# KiCad board MCU_Bottom.kicad_pcb (continued)
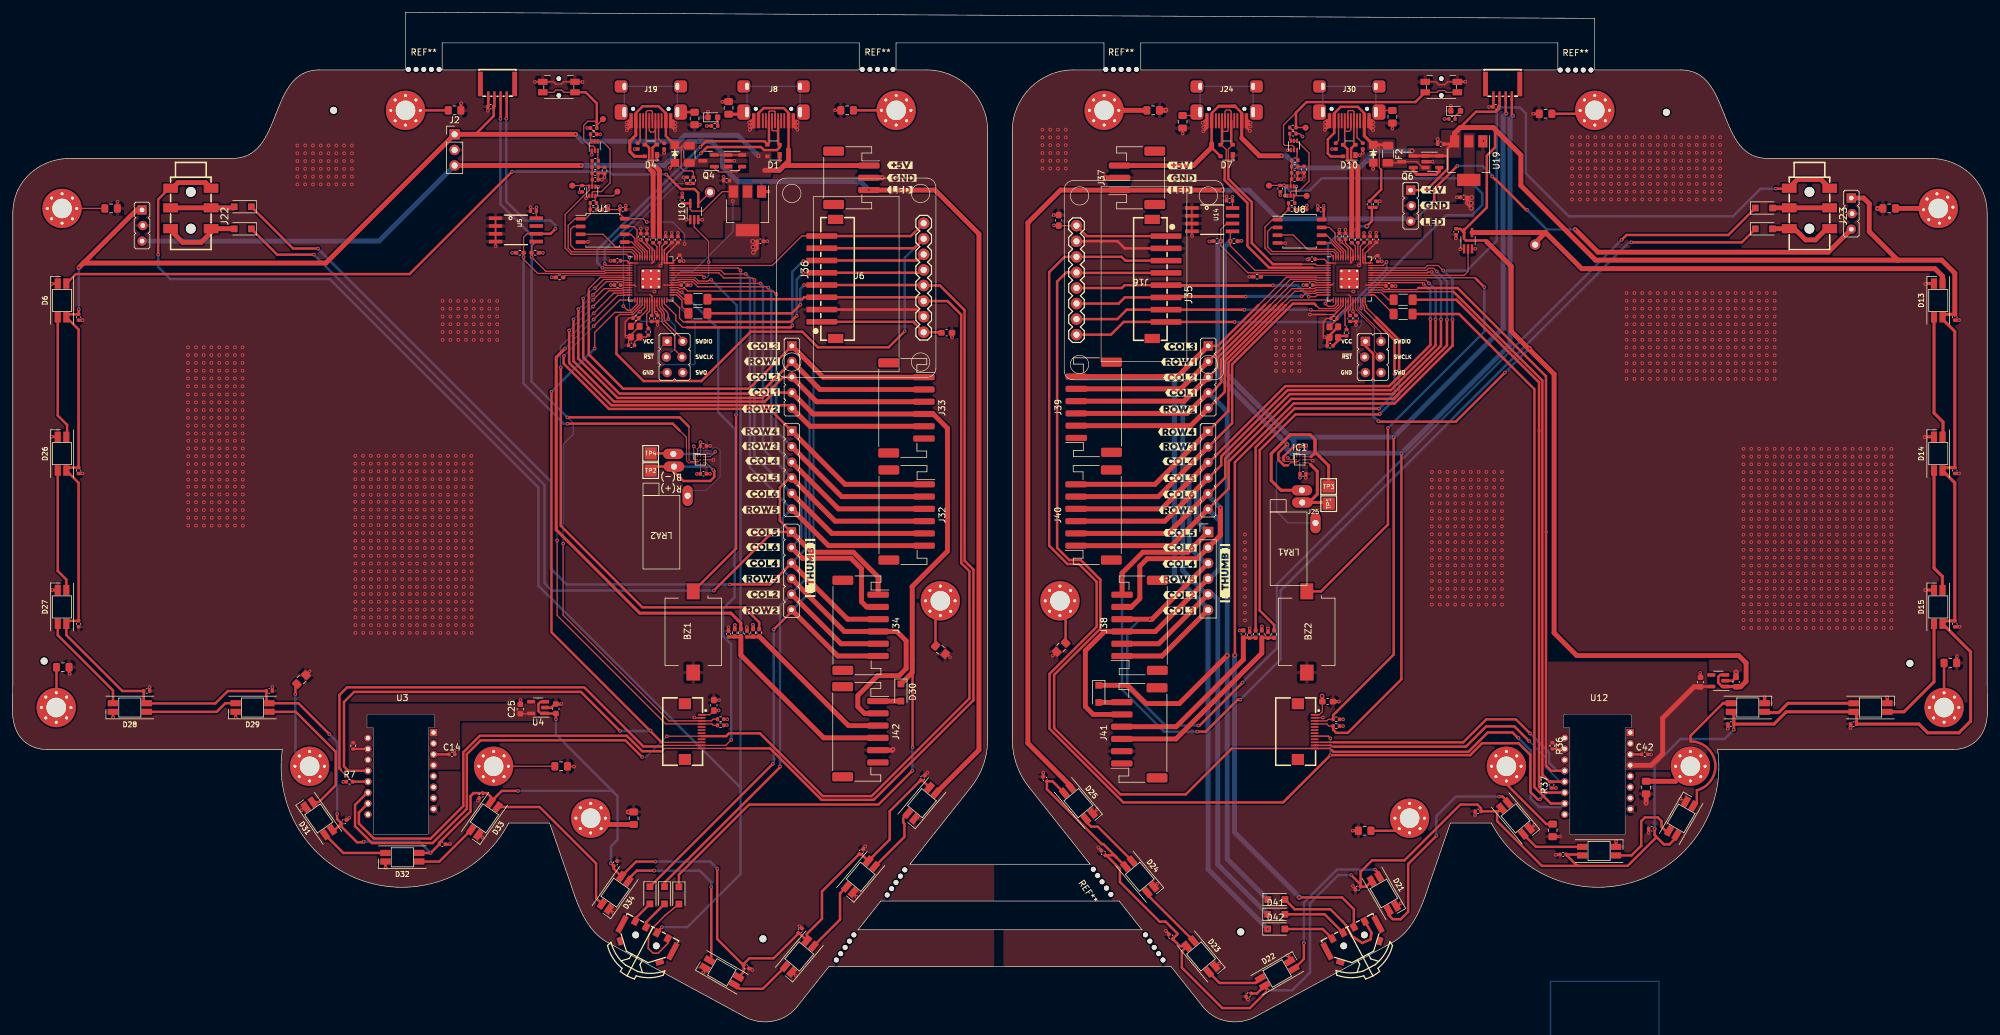
[diagram p0: board, top side]
## Routing (per net, layer and track width the routed paths; a pad name or vN(x,y) marks a point on that pad's centre or on a via; arc(x,y) is an arc through that point) (continued)
GND2: length 133
  Top w0.13: U17.3 238.5,126.23 v1(238.52,126.25) ; IC1.B3 211.87,91.82 v1(212.01,91.68) ; U17.1 236.14,126.23 v1(236.09,126.18)
  Top w0.2: C45.2 210.49,120.32 v1(210.49,120.32) ; v1(197.97,134.73) 197.99,134.71 C53.1 ; R50.2 v1(220.19,141.89) ; K2.1 232.12,153.47 232.59,152.99 233.54,152.99 234.01,153.47 K2.1 ; C6.1 212.84,132.64 v1(212.84,133.22) ; C43.2 211.24,124.54 v1(211.19,124.49) ; D10.1 219.66,141.51 v1(219.69,141.49) ; v1(213.66,49.79) 213.61,49.74 J27.2 ; 216.06,116.01 215.01,114.96 C9.1 214.29,114.89 213.74,114.34 213.74,112.02 v1(213.94,111.82) ; 216.06,116.01 216.99,116.94 U9.19 ; 216.06,116.01 215.56,115.51 v1(211.56,115.51) ; v1(210.62,138.12) R55.2 210.55,138.62 C58.2 C61.2 v1(210.12,137.59) ; v1(219.09,113.82) C47.2 219.08,114.39 C40.2 ; 208.92,136.39 209.36,136.39 v1(209.36,136.39) ; U14.1 U14.3 U14.4 192.32,128.37 v1(192.35,128.34) ; v1(234.54,149.57) 234.55,149.55 D8.1 ; C48.2 v1(216.37,129.34) ; C44.2 225.5,120.17 ; C46.2 222.39,128.82 v1(222.37,128.84) ; D18.1 v1(271.99,36.59) ; R51.1 215.2,142.5 v1(215.19,142.49) ; C26.2 v1(220.39,128.82) ; C39.2 v1(217.37,129.34) ; U8.4 207.49,127.18 v1(207.54,127.14) ; Q1.1 207.99,142.34 v1(207.97,142.32) ; FB3.2 v1(190.82,145.04) ; C41.1 v1(221.39,128.84) ; Q5.1 v1(207.47,134.89) ; v1(223.29,124.17) 223.29,124.16 C17.2
  Top w0.4: C42.2 267.19,43.77 v1(267.21,43.75) ; v1(201.75,64.3) 201.74,64.29 C62.2 ; FB17.2 v1(247.99,148.26) ; v1(196.79,9.69) 196.26,9.16 D23.1 ; C57.2 235.4,127.97 v1(235.38,127.95) ; C69.1 251.74,27.44 v1(251.69,27.39) ; v1(186.69,22.69) 186.16,22.16 D24.1 ; v1(218.54,31.34) 218.56,31.31 FB20.2 ; U13.2 280.49,55.79 C49.1 ; C59.2 204.73,64.27 v1(204.71,64.29) ; C75.1 168.07,40.77 v1(168.09,40.79) ; v1(226.39,19.49) 225.95,19.06 D21.1 ; v1(238.49,33.89) 238.51,33.91 C71.1 ; v1(218.59,22.29) 219,21.87 C72.1 ; K2.1 236.86,153.47 v1(236.89,153.49) ; R39.2 222.93,134.01 v1(222.94,134) ; v1(240.79,149.39) C70.1 241.49,149.47 U16.4 ; v1(194.19,146.09) 194.77,146.67 J24.B1 ; v1(239.87,143.82) 239.82,143.77 U19.1 ; v1(194.19,145.39) 194.77,145.97 J24.B1 ; v1(317.09,59.79) 317.01,59.71 FB15.2 ; J24.A1 201.22,146.86 v1(201.89,146.19) ; J24.A1 201.22,146.06 v1(201.79,145.49) ; J24.A1 201.55,147.12 v1(201.89,146.79) ; v1(169.66,59.86) 169.66,59.89 FB19.2 ; 173.51,127.47 180.21,127.47 181.37,126.31 J35.2 ; v1(213.94,111.82) 213.99,111.77 Y2.4 ; Y2.2 214.77,112.12 Y2.4 ; C56.2 210.92,88.91 v1(210.9,88.89) ; v1(176.89,34.79) 176.26,34.16 D25.1 ; v1(169.82,131.74) 169.82,131.74 C21.2 ; Y2.4 214.39,111.39 C15.1 ; D19.1 261.47,29.57 v1(261.49,29.59) ; D22.1 208.27,10.61 v1(207.89,10.99) ; v1(275.21,57.08) 275.25,57.04 C50.2 ; FB7.2 251.18,30.39 v1(252.34,30.39) ; v1(201.49,3.79) 201.17,4.1 C73.1 ; C68.1 266.81,31.01 v1(266.79,30.99) ; v1(248.19,32.29) 247.57,31.67 D20.1 ; J24.B1 194.42,147.12 v1(194.09,146.79) ; R47.1 201.72,121.69 v1(201.71,121.68) ; D7.1 198.99,140.69 v1(198.99,140.69) ; FB4.2 v1(225.02,145.87) ; v1(221.86,139.27) 221.91,139.32 D9.2 ; C74.1 188.58,14.5 v1(188.09,14.99) ; v1(177.09,28.59) 177.58,28.1 C76.1
  Top w0.5: D17.1 285.71,53.16 v1(285.69,53.19) ; v1(305.69,53.09) 305.71,53.06 D16.1 ; C52.2 232.41,144.1 v1(232.39,144.12) ; J30.A1 221.22,146.9 v1(221.93,146.19) ; J30.A1 221.67,147.12 v1(221.94,146.86) ; J30.A1 221.22,146.22 v1(221.86,145.58) ; C54.2 v1(216.26,52.39) ; C67.1 279.73,48.04 v1(279.69,47.99) ; v1(311.89,120.49) 311.97,120.57 D13.1 ; U18.2 231.53,140.44 v1(231.55,140.46) ; J30.B1 214.77,146.41 v1(214.01,145.65) ; J30.B1 214.77,146.99 v1(214.04,146.26) ; J30.B1 214.3,147.12 v1(214.05,146.87) ; C63.1 v1(317.38,114.59) ; C64.1 v1(317.38,89.59) ; C66.1 299.73,48.14 v1(299.69,48.09) ; C65.1 v1(317.49,64.59) ; v1(311.79,95.49) 311.87,95.57 D14.1 ; C55.2 v1(235.54,134.64) ; v1(311.89,70.59) 311.91,70.57 D15.1
  Top w0.8: v1(304.09,132.79) 304.12,132.82 FB16.2 ; J37.2 178.13,137.82 v2(178.12,137.81) ; v1(188.09,148.89) 188.02,148.82 FB18.2 ; FB8.2 v1(266.38,35.82) ; v1(281.04,57.18) 281.05,57.17 C49.1
  vias: v1(167.96,145.68) v1(167.96,144.41) v1(167.96,143.14) v1(167.96,141.87) v1(167.96,140.6) v1(167.96,139.33) v1(169.23,145.68) v1(169.23,144.41) v1(169.23,143.14) v1(169.23,141.87) v1(169.23,140.6) v1(169.23,139.33) v1(170.5,145.68) v1(170.5,144.41) v1(170.5,143.14) v1(170.5,141.87) v1(170.5,140.6) v1(170.5,139.33) v1(171.77,145.68) v1(171.77,144.41) v1(171.77,143.14) v1(171.77,141.87) v1(171.77,140.6) v1(171.77,139.33) v1(200.98,79.64) v1(200.98,78.37) v1(200.98,77.09) v1(200.98,75.81) v1(200.98,74.53) v1(200.98,73.25) v1(200.98,72.02) v1(200.98,70.75) v1(200.98,69.47) v1(200.98,68.19) v1(200.98,66.91) v1(200.98,65.63) v1(206.06,112.66) v1(206.06,111.39) v1(206.06,110.12) v1(206.06,108.85) v1(206.06,107.58) v1(206.06,106.31) v1(207.33,112.66) v1(207.33,111.39) v1(207.33,110.12) v1(207.33,108.85) v1(207.33,107.58) v1(207.33,106.31) v1(208.6,112.66) v1(208.6,111.39) v1(208.6,110.12) v1(208.6,108.85) v1(208.6,107.58) v1(208.6,106.31) v1(209.87,112.66) v1(209.87,111.39) v1(209.87,110.12) v1(209.87,108.85) v1(209.87,107.58) v1(209.87,106.31) v1(210.97,94.14) v1(225.53,120.14) v1(231.46,89.84) v1(231.46,88.57) v1(231.46,87.29) v1(231.46,86.01) v1(231.46,84.73) v1(231.46,83.45) v1(231.46,82.22) v1(231.46,80.95) v1(231.46,79.67) v1(231.46,78.39) v1(231.46,77.11) v1(231.46,75.83) v1(231.46,74.6) v1(231.46,73.33) v1(231.46,72.05) v1(231.46,70.77) v1(231.46,69.49) v1(231.46,68.21) v1(232.73,89.84) v1(232.73,88.57) v1(232.73,87.29) v1(232.73,86.01) v1(232.73,84.73) v1(232.73,83.45) v1(232.73,82.22) v1(232.73,80.95) v1(232.73,79.67) v1(232.73,78.39) v1(232.73,77.11) v1(232.73,75.83) v1(232.73,74.6) v1(232.73,73.33) v1(232.73,72.05) v1(232.73,70.77) v1(232.73,69.49) v1(232.73,68.21) v1(234,89.84) v1(234,88.57) v1(234,87.29) v1(234,86.01) v1(234,84.73) v1(234,83.45) v1(234,82.22) v1(234,80.95) v1(234,79.67) v1(234,78.39) v1(234,77.11) v1(234,75.83) v1(234,74.6) v1(234,73.33) v1(234,72.05) v1(234,70.77) v1(234,69.49) v1(234,68.21) v1(235.27,89.84) v1(235.27,88.57) v1(235.27,87.29) v1(235.27,86.01) v1(235.27,84.73) v1(235.27,83.45) v1(235.27,82.22) v1(235.27,80.95) v1(235.27,79.67) v1(235.27,78.39) v1(235.27,77.11) v1(235.27,75.83) v1(235.27,74.6) v1(235.27,73.33) v1(235.27,72.05) v1(235.27,70.77) v1(235.27,69.49) v1(235.27,68.21) v1(236.54,89.84) v1(236.54,88.57) v1(236.54,87.29) v1(236.54,86.01) v1(236.54,84.73) v1(236.54,83.45) v1(236.54,82.22) v1(236.54,80.95) v1(236.54,79.67) v1(236.54,78.39) v1(236.54,77.11) v1(236.54,75.83) v1(236.54,74.6) v1(236.54,73.33) v1(236.54,72.05) v1(236.54,70.77) v1(236.54,69.49) v1(236.54,68.21) v1(237.81,89.84) v1(237.81,88.57) v1(237.81,87.29) v1(237.81,86.01) v1(237.81,84.73) v1(237.81,83.45) v1(237.81,82.22) v1(237.81,80.95) v1(237.81,79.67) v1(237.81,78.39) v1(237.81,77.11) v1(237.81,75.83) v1(237.81,74.6) v1(237.81,73.33) v1(237.81,72.05) v1(237.81,70.77) v1(237.81,69.49) v1(237.81,68.21) v1(239.08,89.84) v1(239.08,88.57) v1(239.08,87.29) v1(239.08,86.01) v1(239.08,84.73) v1(239.08,83.45) v1(239.08,82.22) v1(239.08,80.95) v1(239.08,79.67) v1(239.08,78.39) v1(239.08,77.11) v1(239.08,75.83) v1(239.08,74.6) v1(239.08,73.33) v1(239.08,72.05) v1(239.08,70.77) v1(239.08,69.49) v1(239.08,68.21) v1(240.35,89.84) v1(240.35,88.57) v1(240.35,87.29) v1(240.35,86.01) v1(240.35,84.73) v1(240.35,83.45) v1(240.35,82.22) v1(240.35,80.95) v1(240.35,79.67) v1(240.35,78.39) v1(240.35,77.11) v1(240.35,75.83) v1(240.35,74.6) v1(240.35,73.33) v1(240.35,72.05) v1(240.35,70.77) v1(240.35,69.49) v1(240.35,68.21) v1(241.62,89.84) v1(241.62,88.57) v1(241.62,87.29) v1(241.62,86.01) v1(241.62,84.73) v1(241.62,83.45) v1(241.62,82.22) v1(241.62,80.95) v1(241.62,79.67) v1(241.62,78.39) v1(241.62,77.11) v1(241.62,75.83) v1(241.62,74.6) v1(241.62,73.33) v1(241.62,72.05) v1(241.62,70.77) v1(241.62,69.49) v1(241.62,68.21) v1(242.89,89.84) v1(242.89,88.57) v1(242.89,87.29) v1(242.89,86.01) v1(242.89,84.73) v1(242.89,83.45) v1(242.89,82.22) v1(242.89,80.95) v1(242.89,79.67) v1(242.89,78.39) v1(242.89,77.11) v1(242.89,75.83) v1(242.89,74.6) v1(242.89,73.33) v1(242.89,72.05) v1(242.89,70.77) v1(242.89,69.49) v1(242.89,68.21) v1(254.32,144.45) v1(254.32,143.18) v1(254.32,141.9) v1(254.32,140.62) v1(254.32,139.34) v1(254.32,138.06) v1(254.32,136.83) v1(254.32,135.56) v1(254.32,134.28) v1(255.59,144.45) v1(255.59,143.18) v1(255.59,141.9) v1(255.59,140.62) v1(255.59,139.34) v1(255.59,138.06) v1(255.59,136.83) v1(255.59,135.56) v1(255.59,134.28) v1(256.86,144.45) v1(256.86,143.18) v1(256.86,141.9) v1(256.86,140.62) v1(256.86,139.34) v1(256.86,138.06) v1(256.86,136.83) v1(256.86,135.56) v1(256.86,134.28) v1(258.13,144.45) v1(258.13,143.18) v1(258.13,141.9) v1(258.13,140.62) v1(258.13,139.34) v1(258.13,138.06) v1(258.13,136.83) v1(258.13,135.56) v1(258.13,134.28) v1(259.4,144.45) v1(259.4,143.18) v1(259.4,141.9) v1(259.4,140.62) v1(259.4,139.34) v1(259.4,138.06) v1(259.4,136.83) v1(259.4,135.56) v1(259.4,134.28) v1(260.67,144.45) v1(260.67,143.18) v1(260.67,141.9) v1(260.67,140.62) v1(260.67,139.34) v1(260.67,138.06) v1(260.67,136.83) v1(260.67,135.56) v1(260.67,134.28) v1(261.94,144.45) v1(261.94,143.18) v1(261.94,141.9) v1(261.94,140.62) v1(261.94,139.34) v1(261.94,138.06) v1(261.94,136.83) v1(261.94,135.56) v1(261.94,134.28) v1(263.21,144.45) v1(263.21,143.18) v1(263.21,141.9) v1(263.21,140.62) v1(263.21,139.34) v1(263.21,138.06) v1(263.21,136.83) v1(263.21,135.56) v1(263.21,134.28) v1(263.21,119.03) v1(263.21,117.76) v1(263.21,116.48) v1(263.21,115.2) v1(263.21,113.92) v1(263.21,112.64) v1(263.21,111.41) v1(263.21,110.14) v1(263.21,108.86) v1(263.21,107.58) v1(263.21,106.3) v1(263.21,105.02) v1(264.48,144.45) v1(264.48,143.18) v1(264.48,141.9) v1(264.48,140.62) v1(264.48,139.34) v1(264.48,138.06) v1(264.48,136.83) v1(264.48,135.56) v1(264.48,134.28) v1(264.48,119.03) v1(264.48,117.76) v1(264.48,116.48) v1(264.48,115.2) v1(264.48,113.92) v1(264.48,112.64) v1(264.48,111.41) v1(264.48,110.14) v1(264.48,108.86) v1(264.48,107.58) v1(264.48,106.3) v1(264.48,105.02) v1(265.75,144.45) v1(265.75,143.18) v1(265.75,141.9) v1(265.75,140.62) v1(265.75,139.34) v1(265.75,138.06) v1(265.75,136.83) v1(265.75,135.56) v1(265.75,134.28) v1(265.75,119.03) v1(265.75,117.76) v1(265.75,116.48) v1(265.75,115.2) v1(265.75,113.92) v1(265.75,112.64) v1(265.75,111.41) v1(265.75,110.14) v1(265.75,108.86) v1(265.75,107.58) v1(265.75,106.3) v1(265.75,105.02) v1(267.02,144.45) v1(267.02,143.18) v1(267.02,141.9) v1(267.02,140.62) v1(267.02,139.34) v1(267.02,138.06) v1(267.02,136.83) v1(267.02,135.56) v1(267.02,134.28) v1(267.02,119.03) v1(267.02,117.76) v1(267.02,116.48) v1(267.02,115.2) v1(267.02,113.92) v1(267.02,112.64) v1(267.02,111.41) v1(267.02,110.14) v1(267.02,108.86) v1(267.02,107.58) v1(267.02,106.3) v1(267.02,105.02) v1(268.29,144.45) v1(268.29,143.18) v1(268.29,141.9) v1(268.29,140.62) v1(268.29,139.34) v1(268.29,138.06) v1(268.29,136.83) v1(268.29,135.56) v1(268.29,134.28) v1(268.29,119.03) v1(268.29,117.76) v1(268.29,116.48) v1(268.29,115.2) v1(268.29,113.92) v1(268.29,112.64) v1(268.29,111.41) v1(268.29,110.14) v1(268.29,108.86) v1(268.29,107.58) v1(268.29,106.3) v1(268.29,105.02) v1(269.56,144.45) v1(269.56,143.18) v1(269.56,141.9) v1(269.56,140.62) v1(269.56,139.34) v1(269.56,138.06) v1(269.56,136.83) v1(269.56,135.56) v1(269.56,134.28) v1(269.56,119.03) v1(269.56,117.76) v1(269.56,116.48) v1(269.56,115.2) v1(269.56,113.92) v1(269.56,112.64) v1(269.56,111.41) v1(269.56,110.14) v1(269.56,108.86) v1(269.56,107.58) v1(269.56,106.3) v1(269.56,105.02) v1(270.83,144.45) v1(270.83,143.18) v1(270.83,141.9) v1(270.83,140.62) v1(270.83,139.34) v1(270.83,138.06) v1(270.83,136.83) v1(270.83,135.56) v1(270.83,134.28) v1(270.83,119.03) v1(270.83,117.76) v1(270.83,116.48) v1(270.83,115.2) v1(270.83,113.92) v1(270.83,112.64) v1(270.83,111.41) v1(270.83,110.14) v1(270.83,108.86) v1(270.83,107.58) v1(270.83,106.3) v1(270.83,105.02) v1(272.1,144.45) v1(272.1,143.18) v1(272.1,141.9) v1(272.1,140.62) v1(272.1,139.34) v1(272.1,138.06) v1(272.1,136.83) v1(272.1,135.56) v1(272.1,134.28) v1(272.1,119.03) v1(272.1,117.76) v1(272.1,116.48) v1(272.1,115.2) v1(272.1,113.92) v1(272.1,112.64) v1(272.1,111.41) v1(272.1,110.14) v1(272.1,108.86) v1(272.1,107.58) v1(272.1,106.3) v1(272.1,105.02) v1(273.37,144.45) v1(273.37,143.18) v1(273.37,141.9) v1(273.37,140.62) v1(273.37,139.34) v1(273.37,138.06) v1(273.37,136.83) v1(273.37,135.56) v1(273.37,134.28) v1(273.37,119.03) v1(273.37,117.76) v1(273.37,116.48) v1(273.37,115.2) v1(273.37,113.92) v1(273.37,112.64) v1(273.37,111.41) v1(273.37,110.14) v1(273.37,108.86) v1(273.37,107.58) v1(273.37,106.3) v1(273.37,105.02) v1(274.64,144.45) v1(274.64,143.18) v1(274.64,141.9) v1(274.64,140.62) v1(274.64,139.34) v1(274.64,138.06) v1(274.64,136.83) v1(274.64,135.56) v1(274.64,134.28) v1(274.64,119.03) v1(274.64,117.76) v1(274.64,116.48) v1(274.64,115.2) v1(274.64,113.92) v1(274.64,112.64) v1(274.64,111.41) v1(274.64,110.14) v1(274.64,108.86) v1(274.64,107.58) v1(274.64,106.3) v1(274.64,105.02) v1(275.91,144.45) v1(275.91,143.18) v1(275.91,141.9) v1(275.91,140.62) v1(275.91,139.34) v1(275.91,138.06) v1(275.91,136.83) v1(275.91,135.56) v1(275.91,134.28) v1(275.91,119.03) v1(275.91,117.76) v1(275.91,116.48) v1(275.91,115.2) v1(275.91,113.92) v1(275.91,112.64) v1(275.91,111.41) v1(275.91,110.14) v1(275.91,108.86) v1(275.91,107.58) v1(275.91,106.3) v1(275.91,105.02) v1(277.18,144.45) v1(277.18,143.18) v1(277.18,141.9) v1(277.18,140.62) v1(277.18,139.34) v1(277.18,138.06) v1(277.18,136.83) v1(277.18,135.56) v1(277.18,134.28) v1(277.18,119.03) v1(277.18,117.76) v1(277.18,116.48) v1(277.18,115.2) v1(277.18,113.92) v1(277.18,112.64) v1(277.18,111.41) v1(277.18,110.14) v1(277.18,108.86) v1(277.18,107.58) v1(277.18,106.3) v1(277.18,105.02) v1(278.45,144.45) v1(278.45,143.18) v1(278.45,141.9) v1(278.45,140.62) v1(278.45,139.34) v1(278.45,138.06) v1(278.45,136.83) v1(278.45,135.56) v1(278.45,134.28) v1(278.45,119.03) v1(278.45,117.76) v1(278.45,116.48) v1(278.45,115.2) v1(278.45,113.92) v1(278.45,112.64) v1(278.45,111.41) v1(278.45,110.14) v1(278.45,108.86) v1(278.45,107.58) v1(278.45,106.3) v1(278.45,105.02) v1(279.72,119.03) v1(279.72,117.76) v1(279.72,116.48) v1(279.72,115.2) v1(279.72,113.92) v1(279.72,112.64) v1(279.72,111.41) v1(279.72,110.14) v1(279.72,108.86) v1(279.72,107.58) v1(279.72,106.3) v1(279.72,105.02) v1(280.99,119.03) v1(280.99,117.76) v1(280.99,116.48) v1(280.99,115.2) v1(280.99,113.92) v1(280.99,112.64) v1(280.99,111.41) v1(280.99,110.14) v1(280.99,108.86) v1(280.99,107.58) v1(280.99,106.3) v1(280.99,105.02) v1(282.26,119.03) v1(282.26,117.76) v1(282.26,116.48) v1(282.26,115.2) v1(282.26,113.92) v1(282.26,112.64) v1(282.26,111.41) v1(282.26,110.14) v1(282.26,108.86) v1(282.26,107.58) v1(282.26,106.3) v1(282.26,105.02) v1(282.26,93.62) v1(282.26,92.35) v1(282.26,91.07) v1(282.26,89.79) v1(282.26,88.51) v1(282.26,87.23) v1(282.26,86) v1(282.26,84.73) v1(282.26,83.45) v1(282.26,82.17) v1(282.26,80.89) v1(282.26,79.61) v1(282.26,78.41) v1(282.26,77.14) v1(282.26,75.86) v1(282.26,74.58) v1(282.26,73.3) v1(282.26,72.02) v1(282.26,70.79) v1(282.26,69.52) v1(282.26,68.24) v1(282.26,66.96) v1(282.26,65.68) v1(282.26,64.4) v1(283.53,119.03) v1(283.53,117.76) v1(283.53,116.48) v1(283.53,115.2) v1(283.53,113.92) v1(283.53,112.64) v1(283.53,111.41) v1(283.53,110.14) v1(283.53,108.86) v1(283.53,107.58) v1(283.53,106.3) v1(283.53,105.02) v1(283.53,93.62) v1(283.53,92.35) v1(283.53,91.07) v1(283.53,89.79) v1(283.53,88.51) v1(283.53,87.23) v1(283.53,86) v1(283.53,84.73) v1(283.53,83.45) v1(283.53,82.17) v1(283.53,80.89) v1(283.53,79.61) v1(283.53,78.41) v1(283.53,77.14) v1(283.53,75.86) v1(283.53,74.58) v1(283.53,73.3) v1(283.53,72.02) v1(283.53,70.79) v1(283.53,69.52) v1(283.53,68.24) v1(283.53,66.96) v1(283.53,65.68) v1(283.53,64.4) v1(284.8,119.03) v1(284.8,117.76) v1(284.8,116.48) v1(284.8,115.2) v1(284.8,113.92) v1(284.8,112.64) v1(284.8,111.41) v1(284.8,110.14) v1(284.8,108.86) v1(284.8,107.58) v1(284.8,106.3) v1(284.8,105.02) v1(284.8,93.62) v1(284.8,92.35) v1(284.8,91.07) v1(284.8,89.79) v1(284.8,88.51) v1(284.8,87.23) v1(284.8,86) v1(284.8,84.73) v1(284.8,83.45) v1(284.8,82.17) v1(284.8,80.89) v1(284.8,79.61) v1(284.8,78.41) v1(284.8,77.14) v1(284.8,75.86) v1(284.8,74.58) v1(284.8,73.3) v1(284.8,72.02) v1(284.8,70.79) v1(284.8,69.52) v1(284.8,68.24) v1(284.8,66.96) v1(284.8,65.68) v1(284.8,64.4) v1(286.07,119.03) v1(286.07,117.76) v1(286.07,116.48) v1(286.07,115.2) v1(286.07,113.92) v1(286.07,112.64) v1(286.07,111.41) v1(286.07,110.14) v1(286.07,108.86) v1(286.07,107.58) v1(286.07,106.3) v1(286.07,105.02) v1(286.07,93.62) v1(286.07,92.35) v1(286.07,91.07) v1(286.07,89.79) v1(286.07,88.51) v1(286.07,87.23) v1(286.07,86) v1(286.07,84.73) v1(286.07,83.45) v1(286.07,82.17) v1(286.07,80.89) v1(286.07,79.61) v1(286.07,78.41) v1(286.07,77.14) v1(286.07,75.86) v1(286.07,74.58) v1(286.07,73.3) v1(286.07,72.02) v1(286.07,70.79) v1(286.07,69.52) v1(286.07,68.24) v1(286.07,66.96) v1(286.07,65.68) v1(286.07,64.4) v1(287.34,119.03) v1(287.34,117.76) v1(287.34,116.48) v1(287.34,115.2) v1(287.34,113.92) v1(287.34,112.64) v1(287.34,111.41) v1(287.34,110.14) v1(287.34,108.86) v1(287.34,107.58) v1(287.34,106.3) v1(287.34,105.02) v1(287.34,93.62) v1(287.34,92.35) v1(287.34,91.07) v1(287.34,89.79) v1(287.34,88.51) v1(287.34,87.23) v1(287.34,86) v1(287.34,84.73) v1(287.34,83.45) v1(287.34,82.17) v1(287.34,80.89) v1(287.34,79.61) v1(287.34,78.41) v1(287.34,77.14) v1(287.34,75.86) v1(287.34,74.58) v1(287.34,73.3) v1(287.34,72.02) v1(287.34,70.79) v1(287.34,69.52) v1(287.34,68.24) v1(287.34,66.96) v1(287.34,65.68) v1(287.34,64.4) v1(288.61,93.62) v1(288.61,92.35) v1(288.61,91.07) v1(288.61,89.79) v1(288.61,88.51) v1(288.61,87.23) v1(288.61,86) v1(288.61,84.73) v1(288.61,83.45) v1(288.61,82.17) v1(288.61,80.89) v1(288.61,79.61) v1(288.61,78.41) v1(288.61,77.14) v1(288.61,75.86) v1(288.61,74.58) v1(288.61,73.3) v1(288.61,72.02) v1(288.61,70.79) v1(288.61,69.52) v1(288.61,68.24) v1(288.61,66.96) v1(288.61,65.68) v1(288.61,64.4) v1(289.88,93.62) v1(289.88,92.35) v1(289.88,91.07) v1(289.88,89.79) v1(289.88,88.51) v1(289.88,87.23) v1(289.88,86) v1(289.88,84.73) v1(289.88,83.45) v1(289.88,82.17) v1(289.88,80.89) v1(289.88,79.61) v1(289.88,78.41) v1(289.88,77.14) v1(289.88,75.86) v1(289.88,74.58) v1(289.88,73.3) v1(289.88,72.02) v1(289.88,70.79) v1(289.88,69.52) v1(289.88,68.24) v1(289.88,66.96) v1(289.88,65.68) v1(289.88,64.4) v1(291.15,93.62) v1(291.15,92.35) v1(291.15,91.07) v1(291.15,89.79) v1(291.15,88.51) v1(291.15,87.23) v1(291.15,86) v1(291.15,84.73) v1(291.15,83.45) v1(291.15,82.17) v1(291.15,80.89) v1(291.15,79.61) v1(291.15,78.41) v1(291.15,77.14) v1(291.15,75.86) v1(291.15,74.58) v1(291.15,73.3) v1(291.15,72.02) v1(291.15,70.79) v1(291.15,69.52) v1(291.15,68.24) v1(291.15,66.96) v1(291.15,65.68) v1(291.15,64.4) v1(292.42,93.62) v1(292.42,92.35) v1(292.42,91.07) v1(292.42,89.79) v1(292.42,88.51) v1(292.42,87.23) v1(292.42,86) v1(292.42,84.73) v1(292.42,83.45) v1(292.42,82.17) v1(292.42,80.89) v1(292.42,79.61) v1(292.42,78.41) v1(292.42,77.14) v1(292.42,75.86) v1(292.42,74.58) v1(292.42,73.3) v1(292.42,72.02) v1(292.42,70.79) v1(292.42,69.52) v1(292.42,68.24) v1(292.42,66.96) v1(292.42,65.68) v1(292.42,64.4) v1(293.69,93.62) v1(293.69,92.35) v1(293.69,91.07) v1(293.69,89.79) v1(293.69,88.51) v1(293.69,87.23) v1(293.69,86) v1(293.69,84.73) v1(293.69,83.45) v1(293.69,82.17) v1(293.69,80.89) v1(293.69,79.61) v1(293.69,78.41) v1(293.69,77.14) v1(293.69,75.86) v1(293.69,74.58) v1(293.69,73.3) v1(293.69,72.02) v1(293.69,70.79) v1(293.69,69.52) v1(293.69,68.24) v1(293.69,66.96) v1(293.69,65.68) v1(293.69,64.4) v1(294.96,93.62) v1(294.96,92.35) v1(294.96,91.07) v1(294.96,89.79) v1(294.96,88.51) v1(294.96,87.23) v1(294.96,86) v1(294.96,84.73) v1(294.96,83.45) v1(294.96,82.17) v1(294.96,80.89) v1(294.96,79.61) v1(294.96,78.41) v1(294.96,77.14) v1(294.96,75.86) v1(294.96,74.58) v1(294.96,73.3) v1(294.96,72.02) v1(294.96,70.79) v1(294.96,69.52) v1(294.96,68.24) v1(294.96,66.96) v1(294.96,65.68) v1(294.96,64.4) v1(296.23,93.62) v1(296.23,92.35) v1(296.23,91.07) v1(296.23,89.79) v1(296.23,88.51) v1(296.23,87.23) v1(296.23,86) v1(296.23,84.73) v1(296.23,83.45) v1(296.23,82.17) v1(296.23,80.89) v1(296.23,79.61) v1(296.23,78.41) v1(296.23,77.14) v1(296.23,75.86) v1(296.23,74.58) v1(296.23,73.3) v1(296.23,72.02) v1(296.23,70.79) v1(296.23,69.52) v1(296.23,68.24) v1(296.23,66.96) v1(296.23,65.68) v1(296.23,64.4) v1(297.5,93.62) v1(297.5,92.35) v1(297.5,91.07) v1(297.5,89.79) v1(297.5,88.51) v1(297.5,87.23) v1(297.5,86) v1(297.5,84.73) v1(297.5,83.45) v1(297.5,82.17) v1(297.5,80.89) v1(297.5,79.61) v1(297.5,78.41) v1(297.5,77.14) v1(297.5,75.86) v1(297.5,74.58) v1(297.5,73.3) v1(297.5,72.02) v1(297.5,70.79) v1(297.5,69.52) v1(297.5,68.24) v1(297.5,66.96) v1(297.5,65.68) v1(297.5,64.4) v1(298.77,93.62) v1(298.77,92.35) v1(298.77,91.07) v1(298.77,89.79) v1(298.77,88.51) v1(298.77,87.23) v1(298.77,86) v1(298.77,84.73) v1(298.77,83.45) v1(298.77,82.17) v1(298.77,80.89) v1(298.77,79.61) v1(298.77,78.41) v1(298.77,77.14) v1(298.77,75.86) v1(298.77,74.58) v1(298.77,73.3) v1(298.77,72.02) v1(298.77,70.79) v1(298.77,69.52) v1(298.77,68.24) v1(298.77,66.96) v1(298.77,65.68) v1(298.77,64.4) v1(300.04,93.62) v1(300.04,92.35) v1(300.04,91.07) v1(300.04,89.79) v1(300.04,88.51) v1(300.04,87.23) v1(300.04,86) v1(300.04,84.73) v1(300.04,83.45) v1(300.04,82.17) v1(300.04,80.89) v1(300.04,79.61) v1(300.04,78.41) v1(300.04,77.14) v1(300.04,75.86) v1(300.04,74.58) v1(300.04,73.3) v1(300.04,72.02) v1(300.04,70.79) v1(300.04,69.52) v1(300.04,68.24) v1(300.04,66.96) v1(300.04,65.68) v1(300.04,64.4) v1(301.31,93.62) v1(301.31,92.35) v1(301.31,91.07) v1(301.31,89.79) v1(301.31,88.51) v1(301.31,87.23) v1(301.31,86) v1(301.31,84.73) v1(301.31,83.45) v1(301.31,82.17) v1(301.31,80.89) v1(301.31,79.61) v1(301.31,78.41) v1(301.31,77.14) v1(301.31,75.86) v1(301.31,74.58) v1(301.31,73.3) v1(301.31,72.02) v1(301.31,70.79) v1(301.31,69.52) v1(301.31,68.24) v1(301.31,66.96) v1(301.31,65.68) v1(301.31,64.4) v1(302.58,93.62) v1(302.58,92.35) v1(302.58,91.07) v1(302.58,89.79) v1(302.58,88.51) v1(302.58,87.23) v1(302.58,86) v1(302.58,84.73) v1(302.58,83.45) v1(302.58,82.17) v1(302.58,80.89) v1(302.58,79.61) v1(302.58,78.41) v1(302.58,77.14) v1(302.58,75.86) v1(302.58,74.58) v1(302.58,73.3) v1(302.58,72.02) v1(302.58,70.79) v1(302.58,69.52) v1(302.58,68.24) v1(302.58,66.96) v1(302.58,65.68) v1(302.58,64.4) v1(303.85,93.62) v1(303.85,92.35) v1(303.85,91.07) v1(303.85,89.79) v1(303.85,88.51) v1(303.85,87.23) v1(303.85,86) v1(303.85,84.73) v1(303.85,83.45) v1(303.85,82.17) v1(303.85,80.89) v1(303.85,79.61) v1(303.85,78.41) v1(303.85,77.14) v1(303.85,75.86) v1(303.85,74.58) v1(303.85,73.3) v1(303.85,72.02) v1(303.85,70.79) v1(303.85,69.52) v1(303.85,68.24) v1(303.85,66.96) v1(303.85,65.68) v1(303.85,64.4) v1(305.12,93.62) v1(305.12,92.35) v1(305.12,91.07) v1(305.12,89.79) v1(305.12,88.51) v1(305.12,87.23) v1(305.12,86) v1(305.12,84.73) v1(305.12,83.45) v1(305.12,82.17) v1(305.12,80.89) v1(305.12,79.61) v1(305.12,78.41) v1(305.12,77.14) v1(305.12,75.86) v1(305.12,74.58) v1(305.12,73.3) v1(305.12,72.02) v1(305.12,70.79) v1(305.12,69.52) v1(305.12,68.24) v1(305.12,66.96) v1(305.12,65.68) v1(305.12,64.4) v1(306.39,93.62) v1(306.39,92.35) v1(306.39,91.07) v1(306.39,89.79) v1(306.39,88.51) v1(306.39,87.23) v1(306.39,86) v1(306.39,84.73) v1(306.39,83.45) v1(306.39,82.17) v1(306.39,80.89) v1(306.39,79.61) v1(306.39,78.41) v1(306.39,77.14) v1(306.39,75.86) v1(306.39,74.58) v1(306.39,73.3) v1(306.39,72.02) v1(306.39,70.79) v1(306.39,69.52) v1(306.39,68.24) v1(306.39,66.96) v1(306.39,65.68) v1(306.39,64.4)
VBUS_DETECT: length 30.3
  Top w0.2: U2.16 101.92,117.27 100.87,116.22 100.31,116.22 v1(99.64,116.89) ; R12.1 v1(110.54,136.89) R11.2
  Bottom w0.2: v1(110.54,136.89) 108.46,136.89 99.64,128.06 v1(99.64,116.89)
VBUS_DETECT_R: length 24.5
  Top w0.2: U9.16 215.79,117.22 215.44,116.86 214.54,116.86 v1(214.09,117.31)
  Top w0.4: 221.68,132.99 R39.1 ; 221.68,132.99 221.68,130.76 v2(220.84,129.92) ; 221.68,132.99 R38.2
  Bottom w0.4: v2(220.84,129.92) 219.48,129.92 217.74,128.18 215.71,128.18 214.52,126.99 214.52,117.74 v1(214.09,117.31)
VBUS_FUSED_R: length 6.6
  Top w0.2: U18.3 229.94,139.49 228.99,140.44 Q6.3 226.37,140.27 F2.2
/Left/BOOT: length 5.1
  Top w0.2: TP7.1 97.97,134.87 Q3.3 95.07,133.88 R34.2
